# Altium PCB TT1-1C-BASIS.PcbDoc
Units mm, origin at the board's own origin, x right, y up, seen from the top; angles counter-clockwise.
Board outline 160 x 110 mm, 2 copper layers (Top Layer, Bottom Layer), stack 1.57 mm thick; 74 components, 60 nets, 222 pads, 355 vias.
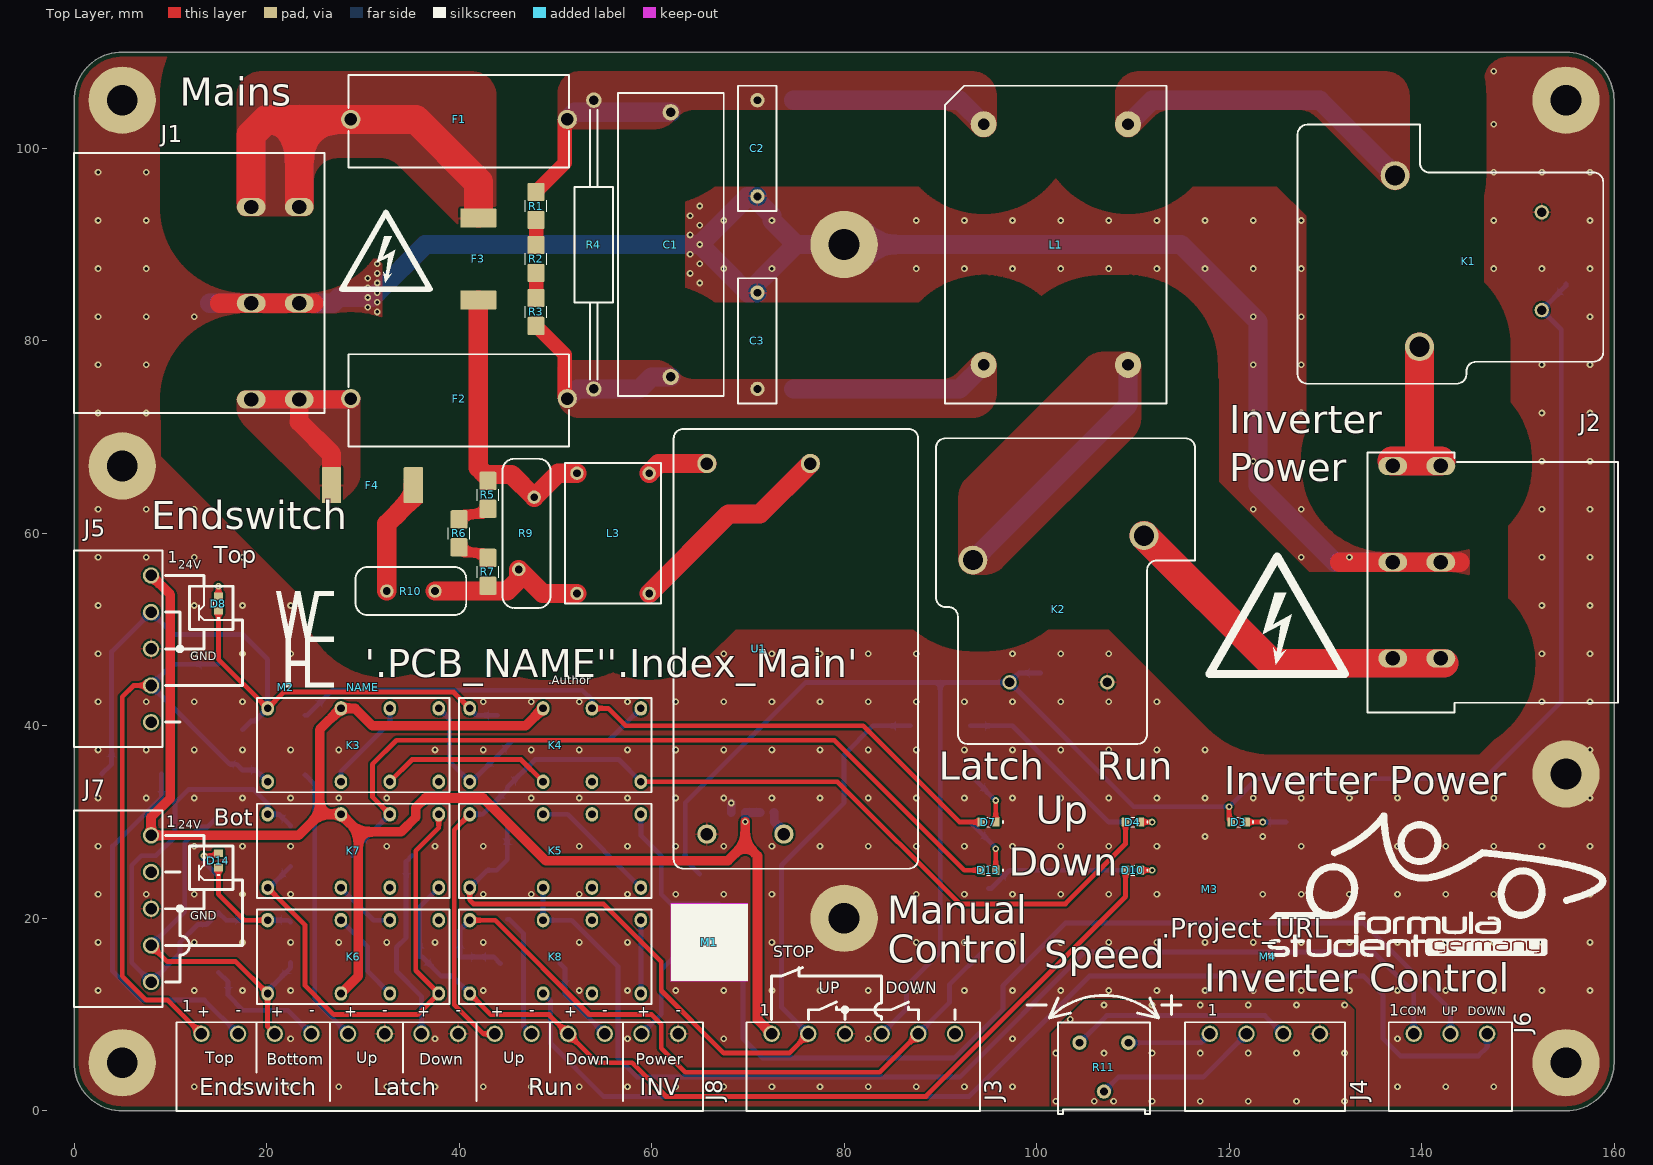
[diagram p0: Top Layer view]
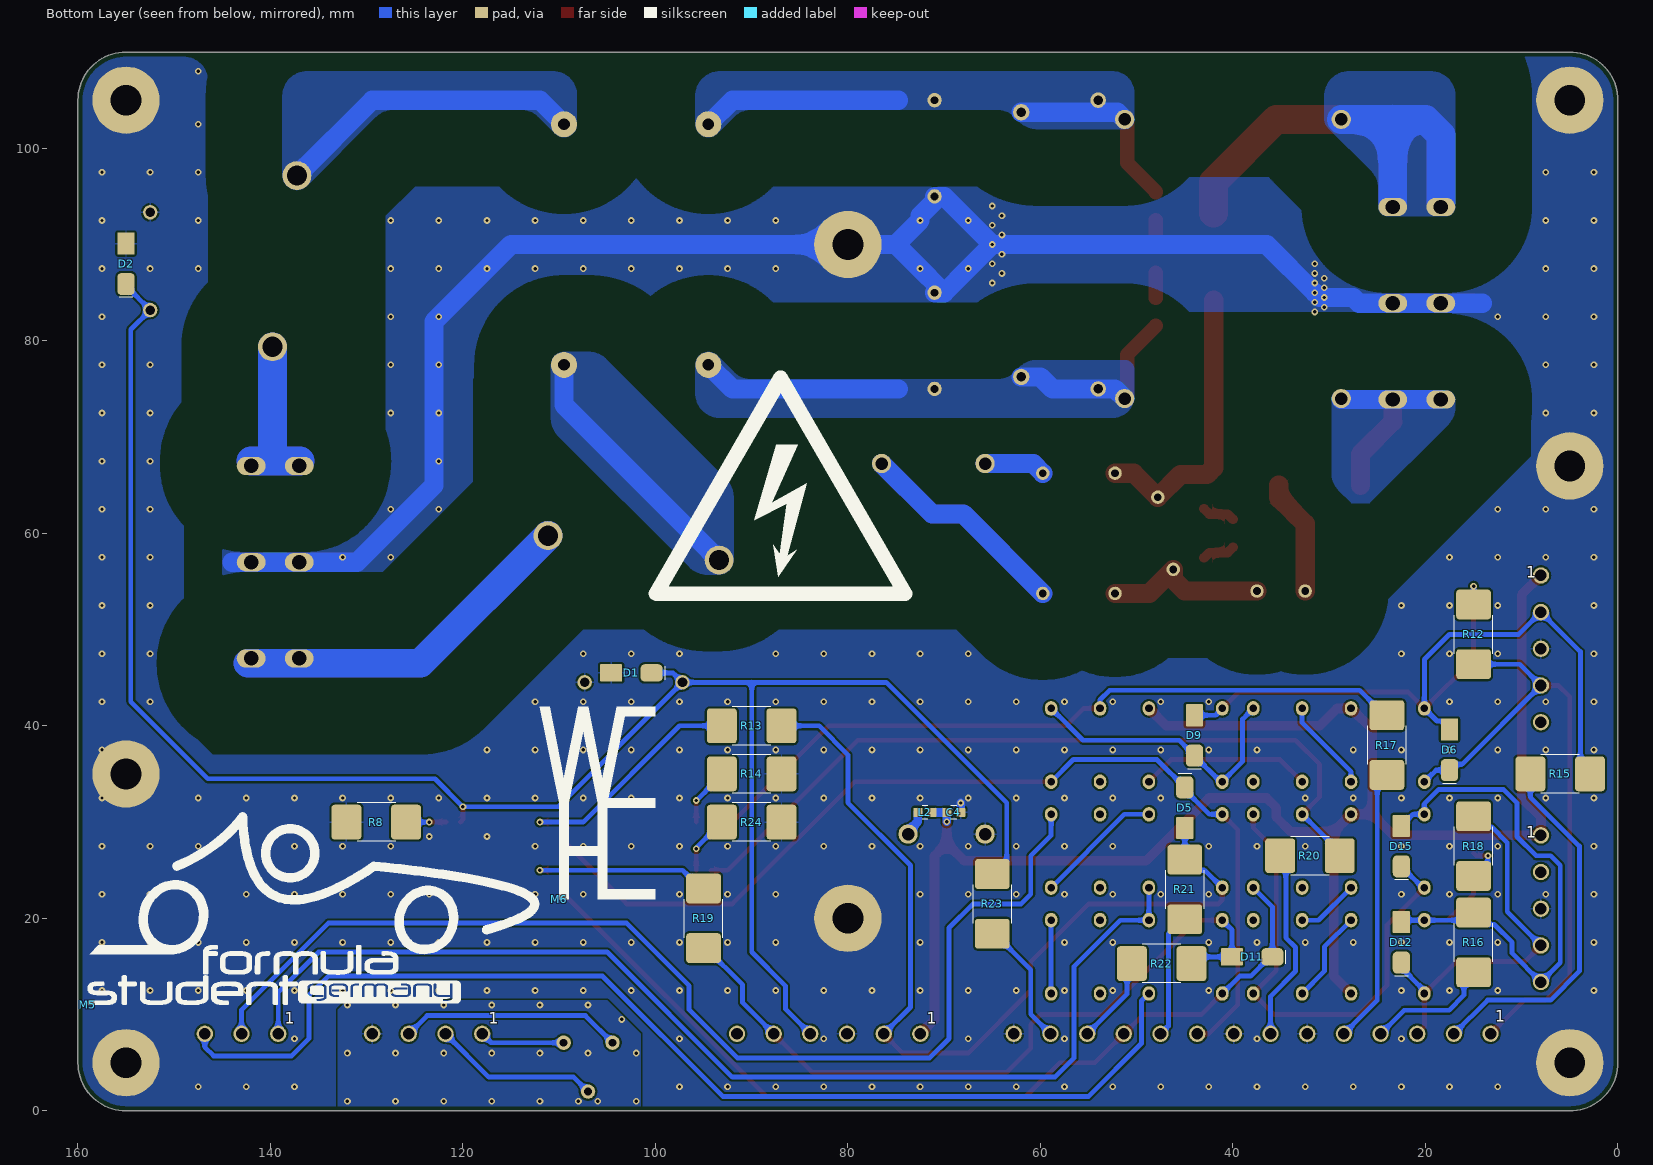
[diagram p1: Bottom Layer view, seen from below]

## Layer stack, top to bottom
Top Solder: solder mask 0.0102, Solder Resist, Dk 3.5
Top Layer: signal copper 0.035
Dielectric 1: dielectric 1.5, FR-4, Dk 4.8
Bottom Layer: signal copper 0.035
Bottom Solder: solder mask 0.0102, Solder Resist, Dk 3.5

## Board outline
5,0 cw(c5,5) 0,5 0,105 cw(c5,105) 5,110 155,110 cw(c155,105) 160,105 160,5 cw(c155,5) 155,0

## Design rules (kind name [scope] priority, off if disabled: settings)
BoardOutlineClearance [not (InComponent('MOUSE*'))] p1 off: gap=0.3 ignorepadtopadclearanceinfootprint=FALSE except(0: Arc-SplitContinuation Track-SplitContinuation SMDPad-SplitContinuation THPad-SplitContinuation Via-SplitContinuation Fill-SplitContinuation Poly-SplitContinuation Region-SplitContinuation Text-SplitContinuation)
Clearance Clearance_Mains [InNetClass('Mains') vs not InNetClass('Mains')] p1: gap=8 ignorepadtopadclearanceinfootprint=FALSE
Clearance Clearance_Mains_LN1 [InNet('LN_1') or InNet('LN_INV_1') or InNet('LN_SMPS_1') vs InNet('L_INV_F') or InNet('L_INV_CMC') or InNet('L_SMPS_F') or InNet('LN_2') or InNet('LN_INV_2') or InNet('LN_SMPS_2')] p2: gap=1 ignorepadtopadclearanceinfootprint=FALSE
Clearance Clearance_Mains_LN2 [InNet('LN_2') or InNet('LN_INV_2') or InNet('LN_SMPS_2') vs InNet('N_INV_F') or InNet('N_INV_CMC') or InNet('N_SMPS_R') or InNet('LN_1') or InNet('LN_INV_1') or InNet('LN_SMPS_1')] p3: gap=1 ignorepadtopadclearanceinfootprint=FALSE
Clearance Clearance_Mains_LN [InNetClass('Mains') vs InNetClass('Mains')] p4: gap=3 ignorepadtopadclearanceinfootprint=FALSE
Clearance [All] p5: gap=0.2 ignorepadtopadclearanceinfootprint=FALSE except(0: Arc-Hole Track-Hole SMDPad-Hole THPad-Hole Via-Hole Fill-Hole Poly-Hole Region-Hole Text-Hole)
ComponentClearance ComponentClearance_ESP-01S [All] p1: gap=0.254 collisioncheckmode=3 verticalgap=0.254 showdistances=FALSE
ComponentClearance ComponentClearance_Enclosure [isfree] p2: gap=0 collisioncheckmode=3 verticalgap=0 showdistances=FALSE
ComponentClearance [All] p3: gap=0.25 collisioncheckmode=3 verticalgap=0.25 showdistances=FALSE
DiffPairsRouting [InDifferentialPair('D') or InDifferentialPair('USB_D')] p1: maxlimit=0.15 minlimit=0.15 mostfreqgap=0.15 toplayer_minwidth=0.5 toplayer_maxwidth=0.5 toplayer_prefwidth=0.5 bottomlayer_minwidth=0.5 bottomlayer_maxwidth=0.5 bottomlayer_prefwidth=0.5 impedanceprofiledriven=TRUE impedanceprofileid={0B2F72EE-70D5-4F8D-B648-94B946845256} impedanceprofilevalue=90.000000 maxuncoupledlength=12.7
Height [All] p1: minheight=0 maxheight=100 prefheight=12.7
HoleSize [All] p1: absolutevalues=TRUE maxlimit=27 minlimit=0.3 maxpercent=80.000 minpercent=20.000
HoleToHoleClearance [All] p1: gap=0.3 allowstackedmicrovias=TRUE
MinimumSolderMaskSliver [All] p1: minsoldermaskwidth=0.1
PolygonConnect PolygonConnect_Mains [InNetClass('Mains')] p1: thpad.connectstyle=Direct thpad.reliefconductorwidth=0.2 thpad.reliefentries=4 thpad.polygonreliefangle="90 Angle" thpad.airgapwidth=0.2 smdpad.connectstyle=Relief smdpad.reliefconductorwidth=0.2 smdpad.reliefentries=4 smdpad.polygonreliefangle="90 Angle" smdpad.airgapwidth=0.2 via.connectstyle=Direct via.reliefconductorwidth=0.254 via.reliefentries=4 via.polygonreliefangle="90 Angle" via.airgapwidth=0.254
PolygonConnect [All] p2: thpad.connectstyle=Relief thpad.reliefconductorwidth=0.2 thpad.reliefentries=4 thpad.polygonreliefangle="90 Angle" thpad.airgapwidth=0.2 smdpad.connectstyle=Relief smdpad.reliefconductorwidth=0.2 smdpad.reliefentries=4 smdpad.polygonreliefangle="90 Angle" smdpad.airgapwidth=0.2 via.connectstyle=Direct via.reliefconductorwidth=0.254 via.reliefentries=4 via.polygonreliefangle="90 Angle" via.airgapwidth=0.254
RoutingVias [All] p1: holewidth=0.35 width=0.7 viastyle="Through Hole" minholewidth=0.35 minwidth=0.7 maxholewidth=5 maxwidth=6
SilkToSilkClearance [All] p1: silktosilkclearance=0.1
SilkToSolderMaskClearance [IsPad] p1: minsilkscreentomaskgap=0.1 clearancetoexposedcopper=TRUE
SolderMaskExpansion "SolderMaskExpansion Via" [IsVia] p1: expansion=0.1 istentingtop=TRUE
SolderMaskExpansion [All] p2: expansion=0.05 istentingtop=FALSE
SupplyNets "Schematic Supply Nets_1" [InNet('GND')] p1: voltage=0.000
SupplyNets "Schematic Supply Nets" [InNet('+24V')] p2: voltage=0.000
UnRoutedNet [All] p1: checkbadconnections=TRUE
Width [All] p1: maxlimit=5 minlimit=0.15 preferedwidth=0.3 minimp=50.000000 maximp=50.000000 favimp=50.000000
21 further rules are at their usual default settings.

## Classes and differential pairs
net class N: N N_INV N_INV_CMC N_INV_F
net class Mains: L L_INV L_INV_CMC L_INV_F L_SMPS L_SMPS_F LN_1 LN_2 LN_SMPS_1 LN_SMPS_2 N N_INV N_INV_CMC N_INV_F N_SMPS N_SMPS_F N_SMPS_R
net class L: L L_INV L_INV_CMC L_INV_F

## Components (designator, comment, footprint, x,y, rotation, side; value= is the part's Value field where it differs from the comment)
C1 "1U/X2/27.5MM" CAP2750P315X110X190-BL 62,90 r270 top value=1UF
C2 "2N2/Y2/10MM" CAP1000P130X40X90-BL 71,100 r270 top value=2.2nF
C3 "2N2/Y2/10MM" CAP1000P130X40X90-BL 71,80 r90 top value=2.2nF
C4 "100N/0603/50V/X7R" CAP0603_X7R 69,31 r180 bottom value=100nF
D1 "SS24" DIOM5226X230 102.5,45.5 r0 bottom
D2 "SS24" DIOM5226X230 155,88 r90 bottom
D3 "LED Green" LED0603_GREEN 121,30 r180 top value=Green
D4 "LED Blue" LED0603_BLUE 110,30 r180 top value=Blue
D5 "SS24" DIOM5226X230 45,31.5 r270 bottom
D6 "SS24" DIOM5226X230 17.5,37.5 r90 bottom
D7 "LED Yellow" LED0603_YELLOW 95,30 r180 top value=Yellow
D8 "LED Red" LED0603_RED 15,52.7 r90 top value=Red
D9 "SS24" DIOM5226X230 44,39 r90 bottom
D10 "LED Blue" LED0603_BLUE 110,25 r180 top value=Blue
D11 "SS24" DIOM5226X230 38,16 r0 bottom
D12 "SS24" DIOM5226X230 22.5,17.5 r90 bottom
D13 "LED Yellow" LED0603_YELLOW 95,25 r180 top value=Yellow
D14 "LED Red" LED0603_RED 15,26 r90 top value=Red
D15 "SS24" DIOM5226X230 22.5,27.5 r90 bottom
F1 "Fuse 5x20mm" OGN_THR 40,103 r0 top
F2 "Fuse 5x20mm" OGN_THR 40,74 r0 top
F3 "3.15A/UMT250/FUSE" UMT250 42,88.5 r270 top value=3.15A
F4 "3.15A/UMT250/FUSE" UMT250 31,65 r0 top value=3.15A
J1 "770-813/011-000" 770-813/011-000 26,86 r270 top
J2 "770-803/011-000" 770-803/011-000 134.4,54.9 r90 top
J3 "MC1.5/6-G-3.81" MC1.5/6-G-3.81 82,8 r0 top
J4 "MC1.5/4-G-3.81" MC1.5/4-G-3.81 123.715,8 r0 top
J5 "MC1.5/5-G-3.81" MC1.5/5-G-3.81 8,48 r270 top
J6 "MC1.5/3-G-3.81" MC1.5/3-G-3.81 143,8 r0 top
J7 "MC1.5/5-G-3.81" MC1.5/5-G-3.81 8,21 r270 top
J8 "MC1.5/14-G-3.81" MC1.5/14-G-3.81 38,8 r0 top
K1 "AZ2150-1A-12" AZ2150-SPST-NO 143,89 r90 top
K2 "AZ2150-1A-12" AZ2150-SPST-NO 103,54 r0 top
K3 "AZ822-2C-12" AZ822 29,38 r270 top
K4 "AZ822-2C-12" AZ822 50,38 r270 top
K5 "AZ822-2C-12" AZ822 50,27 r270 top
K6 "AZ822-2C-12" AZ822 29,16 r270 top
K7 "AZ822-2C-12" AZ822 29,27 r270 top
K8 "AZ822-2C-12" AZ822 50,16 r270 top
L1 "30MH/THT/CMC" CMC-WE-CMBNC-XL-7448050530 102,90 r270 top value=30MH
L2 "30R/0603/FERRITE" FB0603 72,31 r180 bottom value=30R
L3 "1MH/THT/CMC" DFKH-CASE-50-2 56,60 r0 top value=1MH
M1 "SERIAL 2D" SERIAL-2D-8MM-RESTRICT 66,17.5 r0 top
M2 "LOGO WHE" LOGO-WHE-10MM 22,44 r0 top
M3 "QR PROJ URL" QR-PROJECT-URL-10MM 118,23 r0 top
M4 "LOGO FSG" LOGO-FSG-15MM 124,16 r0 top
M5 "LOGO FSG" LOGO-FSG-20MM 159,11 r180 bottom
M6 "LOGO WHE" LOGO-WHE-20MM 110,22 r180 bottom
NAME "Comment" PCB-NAME 30,44 r0 top
R1 "330K/1206" R1206-0.80-WW 48,94 r270 top value=330K
R2 "330K/1206" R1206-0.80-WW 48,88.5 r270 top value=330K
R3 "330K/1206" R1206-0.80-WW 48,83 r270 top value=330K
R4 "100K/1W/0414/30MM" RESAD3000W80L1200D400B 54,90 r270 top value=100K
R5 "330K/1206" R1206-0.80-WW 43,64 r270 top value=330K
R6 "330K/1206" R1206-0.80-WW 40,60 r90 top value=330K
R7 "330K/1206" R1206-0.80-WW 43,56 r270 top value=330K
R8 "560R/2512" R2512-0.65-WW 129,30 r0 bottom value=560R
R9 "ERZ-V14D391" RESD750W80D155 47,60 r270 top value=391V
R10 "25R/THT/NTC" RESD500W60D115 35,54 r0 top value=25R
R11 "1K/3386F" 3386F 107,5 r0 top value=1K
R12 "560R/2512" R2512-0.65-WW 15,49.5 r90 bottom value=560R
R13 "560R/2512" R2512-0.65-WW 90,40 r180 bottom value=560R
R14 "560R/2512" R2512-0.65-WW 90,35 r180 bottom value=560R
R15 "560R/2512" R2512-0.65-WW 6,35 r0 bottom value=560R
R16 "560R/2512" R2512-0.65-WW 15,17.5 r270 bottom value=560R
R17 "560R/2512" R2512-0.65-WW 24,38 r270 bottom value=560R
R18 "560R/2512" R2512-0.65-WW 15,27.5 r270 bottom value=560R
R19 "560R/2512" R2512-0.65-WW 95,20 r270 bottom value=560R
R20 "560R/2512" R2512-0.65-WW 32,26.5 r0 bottom value=560R
R21 "560R/2512" R2512-0.65-WW 45,23 r270 bottom value=560R
R22 "560R/2512" R2512-0.65-WW 47.4,15.3 r0 bottom value=560R
R23 "560R/2512" R2512-0.65-WW 65,21.5 r270 bottom value=560R
R24 "560R/2512" R2512-0.65-WW 90,30 r180 bottom value=560R
U1 "IRM10-12" IRM10 75,48 r270 top

## Footprints (in the part's own frame and the unit in brackets; to place one, negate y for a bottom-side part, rotate by r counter-clockwise, add the part's x,y. Pads: shape width x height; smd on the part's side, far side on the other; paste and mask are expansions set on the pad)
770-803/011-000 [mm] "Socket for PCBs; angled; 3-pole; Cod.A; black"
  oval 1.9x3 hole 1.5: L(12.1,-7.6) L(12.1,-2.6) N(-7.9,-7.6) N(-7.9,-2.6) PE(2.1,-2.6) PE(2.1,-7.6)
  silkscreen extent -13.5,-26 13.5,0, body extent -13.5,-26 13.5,0, height 14.6
770-813/011-000 [mm] "Plug for PCBs; angled; 3-pole; Cod.A; black"
  oval 1.9x3 hole 1.5: L(-7.9,-2.6) L(-7.9,-7.6) N(12.1,-2.6) N(12.1,-7.6) PE(2.1,-2.6) PE(2.1,-7.6)
  silkscreen extent -13.5,-26 13.5,0, body extent -13.5,-26 13.5,0, height 14.6
3386F [mm]
  round 1.5 hole 0.8: 1(-2.54,2.083) 2(2.54,2.083) 3(0,-2.997)
  silkscreen extent -4.76,-5.33 4.76,4.19, body extent -4.76,-5.33 4.76,4.19, height 10.41
AZ822 [mm]
  oval 1.5x1.3 hole 0.8: 1(3.81,-8.89) 2(-3.81,-8.89) 3(3.81,-1.27) 4(3.81,3.81) 5(3.81,8.89) 6(-3.81,-1.27) 7(-3.81,3.81) 8(-3.81,8.89)
  silkscreen extent -4.9,-10 4.9,10, body extent -4.9,-10 4.9,10, height 12
AZ2150-SPST-NO [mm] "Zettler AZ2150 relais with 6 pins"
  round 1.5 hole 1: 1(-5.808,-9.485) 2(4.352,-9.485)
  round 3 hole 2.1: 3(-9.618,3.215) 4(8.162,5.755)
  silkscreen extent -13.46,-15.88 13.46,15.88, body extent -13.46,-15.88 13.46,15.88, height 19.1
CAP0603_X7R [mm]
  rrect20% 0.95x0.95 smd: 1(-0.725,0) 2(0.725,0)
  silkscreen extent -0.3,-0.7 0.3,0.7, body extent -0.8,-0.41 0.8,0.41, height 0.57
CAP1000P130X40X90-BL [mm]
  round 1.5 hole 0.8: 1(-5,0) 2(5,0)
  silkscreen extent -6.5,-2 6.5,2, body extent -6.5,-2 6.5,2, height 9
CAP2750P315X110X190-BL [mm]
  round 1.7 hole 1: 1(-13.75,0) 2(13.75,0)
  silkscreen extent -15.75,-5.5 15.75,5.5, body extent -15.75,-5.5 15.75,5.5, height 19
CMC-WE-CMBNC-XL-7448050530 [mm]
  round 2.7 hole 1.2: 1(-12.5,-7.5) 2(12.5,-7.5) 3(-12.5,7.5) 4(12.5,7.5)
  silkscreen extent -16.5,-11.5 16.5,11.5, body extent -16.5,-11.5 16.5,11.5, height 33.08
DFKH-CASE-50-2 [mm] "Pin Order different than in datasheet to match Schematic symbol"
  round 1.4 hole 0.8: 1(-3.75,6.25) 2(-3.75,-6.25) 3(3.75,6.25) 4(3.75,-6.25)
  body extent -5,-7.25 5,7.25, height 13.01
DIOM5226X230 [mm] "DO-214AC"
  rrect50% 2.3x1.8 smd: 1(-2.1,0)
  rrect10% 2.3x1.8 smd: 2(2.1,0)
  silkscreen extent -3.5,-0.7 -3.5,0.7, body extent -2.6,-1.4 2.6,1.4, height 2.29
FB0603 [mm]
  rrect20% 0.95x0.95 smd: 1(-0.725,0) 2(0.725,0)
  silkscreen extent -0.3,-0.7 0.3,0.7, body extent -0.8,-0.4 0.8,0.4, height 1
IRM10 [mm]
  round 2 hole 1.3: 1(-19.25,-9.25) 2(-19.25,1.5) 3(19.25,-1.25) 4(19.25,-9.25)
  silkscreen extent -22.85,-12.7 22.85,12.7, body extent -22.85,-12.7 22.85,12.7, height 21.5
LED0603_BLUE [mil]
  rrect20% 31x38 smd: 1(-30,0) 2(30,0)
  silkscreen extent -59,-20 8,20, body extent -31,-16 31,16, height 31
LED0603_GREEN [mil]
  rrect20% 31x38 smd: 1(-30,0) 2(30,0)
  silkscreen extent -59,-20 8,20, body extent -31,-16 31,16, height 31
LED0603_RED [mil]
  rrect20% 31x38 smd: 1(-30,0) 2(30,0)
  silkscreen extent -59,-20 8,20, body extent -31,-16 31,16, height 31
LED0603_YELLOW [mil]
  rrect20% 31x38 smd: 1(-30,0) 2(30,0)
  silkscreen extent -59,-20 8,20, body extent -31,-16 31,16, height 31
LOGO-FSG-15MM [mm] "Source: https://www.formulastudent.de/pr/logos /  / Terms of use / Nutzungsbedingungen /  / \"Formula Student\" is registered trademark. The FSG logos are also subject to international copyright laws.  /  / EN: The right to use the FSG logo in an appropriate context is reserved to the teams, to the sponsors of the FSG event and to the press reporting on FSG. Other parties including the teams' sponsors are not allowed to use the FSG logo for any purpose. /  / DE: Teams, Sponsoren des FSG-Wettbewerb und Presse, die über die FSG berichtet, dürfen das FSG-Logo im entsprechenden Kontext frei verwenden. Anderen, die Sponsoren der Teams eingeschlossen, ist die Verwendung des FSG-Logos nicht gestattet."
  silkscreen extent 0.01,0.01 35.17,14.99, body extent 0.01,0.01 35.18,15, height 0.05
LOGO-FSG-20MM [mm] "Source: https://www.formulastudent.de/pr/logos /  / Terms of use / Nutzungsbedingungen /  / \"Formula Student\" is registered trademark. The FSG logos are also subject to international copyright laws.  /  / EN: The right to use the FSG logo in an appropriate context is reserved to the teams, to the sponsors of the FSG event and to the press reporting on FSG. Other parties including the teams' sponsors are not allowed to use the FSG logo for any purpose. /  / DE: Teams, Sponsoren des FSG-Wettbewerb und Presse, die über die FSG berichtet, dürfen das FSG-Logo im entsprechenden Kontext frei verwenden. Anderen, die Sponsoren der Teams eingeschlossen, ist die Verwendung des FSG-Logos nicht gestattet."
  silkscreen extent 0.01,0.01 46.93,20, body extent 0.01,0.01 46.94,20.01, height 0.05
LOGO-WHE-10MM [mm]
  silkscreen extent -1,0 5,10
LOGO-WHE-20MM [mm]
  silkscreen extent -2,0 10,20
MC1.5/3-G-3.81 [mm] "Phoenix contact MC 1,5/ 3-G-3,81"
  round 1.7 hole 1.2: 1(-3.81,0) 2(0,0) 3(3.81,0)
  silkscreen extent -6.41,-8 6.41,1.2, body extent -6.41,-8 6.41,1.2, height 7.26
MC1.5/4-G-3.81 [mm] "Phoenix contact MC 1,5/ 4-G-3,81"
  round 1.7 hole 1.2: 1(-5.715,0) 2(-1.905,0) 3(1.905,0) 4(5.715,0)
  silkscreen extent -8.31,-8 8.31,1.2, body extent -8.31,-8 8.31,1.2, height 7.26
MC1.5/5-G-3.81 [mm] "Phoenix contact MC 1,5/ 5-G-3,81"
  round 1.7 hole 1.2: 1(-7.62,0) 2(-3.81,0) 3(0,0) 4(3.81,0) 5(7.62,0)
  silkscreen extent -10.22,-8 10.22,1.2, body extent -10.22,-8 10.22,1.2, height 7.26
MC1.5/6-G-3.81 [mm] "Phoenix contact MC 1,5/ 6-G-3,81"
  round 1.7 hole 1.2: 1(-9.525,0) 2(-5.715,0) 3(-1.905,0) 4(1.905,0) 5(5.715,0) 6(9.525,0)
  silkscreen extent -12.12,-8 12.12,1.2, body extent -12.12,-8 12.12,1.2, height 7.26
MC1.5/14-G-3.81 [mm] "Phoenix contact MC 1,5/ 14-G-3,81"
  round 1.7 hole 1.2: 1(-24.765,0) 2(-20.955,0) 3(-17.145,0) 4(-13.335,0) 5(-9.525,0) 6(-5.715,0) 7(-1.905,0) 8(1.905,0) 9(5.715,0) 10(9.525,0) 11(13.335,0) 12(17.145,0) 13(20.955,0) 14(24.765,0)
  silkscreen extent -27.36,-8 27.36,1.2, body extent -27.36,-8 27.36,1.2, height 7.26
OGN_THR [mm]
  round 2 hole 1.3: 1(-11.25,0) 2(11.25,0)
  body extent -11.45,-5 11.45,4.6, height 11.51
PCB-NAME [mm]
QR-PROJECT-URL-10MM [mm] "QR Code Project URL 10mm"
R1206-0.80-WW [mm]
  rrect20% 1.9x1.8 smd: 1(-1.45,0) 2(1.45,0)
  silkscreen extent -0.6,-1.1 0.6,1.1, body extent -1.6,-0.8 1.6,0.8, height 0.62
R2512-0.65-WW [mm]
  rrect20% 3.1x3.6 smd: 1(-3.1,0) 2(3.1,0)
  silkscreen extent -2,-2 2,2, body extent -3.2,-1.6 3.2,1.6, height 0.68
RESAD3000W80L1200D400B [mm]
  round 1.6 hole 1: 1(-15,0) 2(15,0)
  silkscreen extent -14,-2 14,2, body extent -15.4,-2.01 15.4,2.01, height 4.01
RESD500W60D115 [mm]
  round 1.4 hole 0.8: 1(-2.5,0) 2(2.5,0)
  body extent -5.72,-2.5 5.78,2.5, height 16
RESD750W80D155 [mm]
  round 1.4 hole 0.8: 1(-3.75,0.8) 2(3.75,-0.8)
  body extent -7.72,-1.6 7.78,1.6, height 18.5
SERIAL-2D-8MM-RESTRICT [mm] "Placeholder for 2D serial number (Dotmatrix or QR) / Restricts vias, tracks and pads on top layer / Size: 8mm"
  Top Layer keep-out region: -4,-4 4,-4 4,4 -4,4
  silkscreen extent -4,-4 4,4
UMT250 [mm]
  rrect10% 2x3.75 smd: 1(-4.25,0) 2(4.25,0)
  body extent -5.45,-1.5 5.45,1.5, height 3.01
